# Altium PCB 11BRANMB10H2_20170927.pcbdoc (part 9 of 11)
Units mm, origin at the board's own origin, x right, y up, seen from the top; angles counter-clockwise.
Board outline 91.65 x 48.25 mm, 6 copper layers (TOP, GND1, Singal, POWER, GND2, BOTTOM), stack 0.8 mm thick; 370 components, 289 nets, 1421 pads, 980 vias.
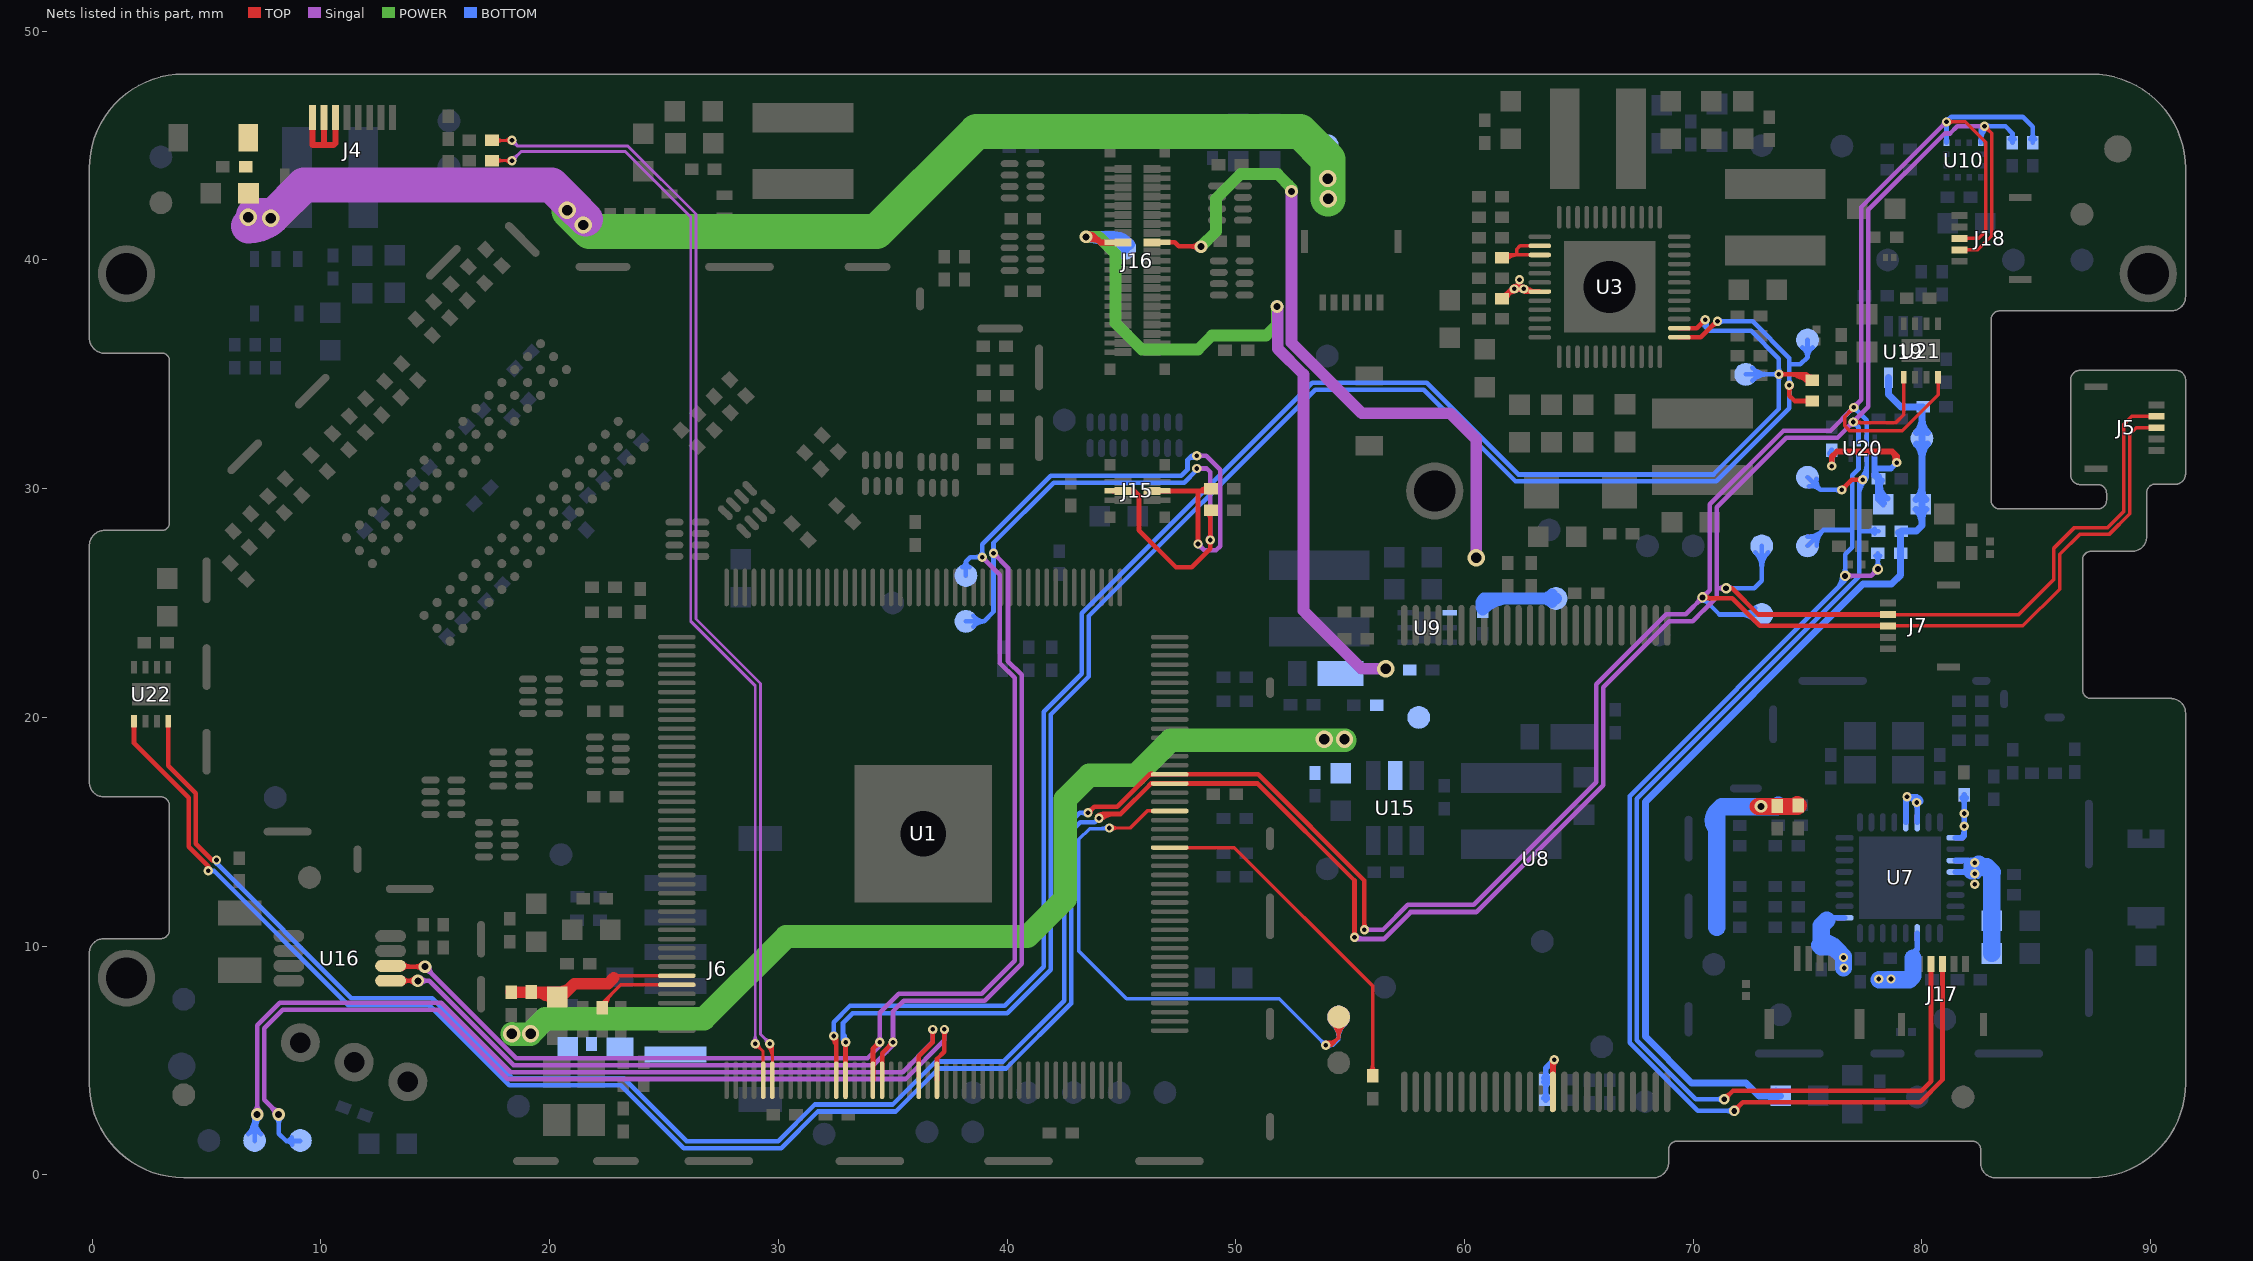
[diagram p13: the nets of this part, all layers, seen from the top]

## Via types
v1: diameter 0.406, hole 0.203, TOP to BOTTOM, tented both sides, 450 vias
v2: diameter 0.457, hole 0.254, TOP to BOTTOM, tented both sides, 256 vias
v3: diameter 0.559, hole 0.305, TOP to BOTTOM, tented both sides, 184 vias
v4: diameter 0.762, hole 0.457, TOP to BOTTOM, tented both sides, 69 vias
v5: diameter 0.61, hole 0.33, TOP to BOTTOM, tented both sides, 11 vias
v6: diameter 0.5, hole 0.2, TOP to BOTTOM, 9 vias
v7: diameter 0.508, hole 0.254, TOP to BOTTOM, tented both sides, 1 vias

## Nets (pads, with @x,y where several pads share a name; then routed paths per layer and width w, separated by ;. In a path a pad name is that pad's centre, name@x,y a point inside that pad or via, vN(x,y) a via of type N, cw(c..) or ccw(c..) an arc to the next point about the centre after c; other vN are vias at no path point) (continued)
TWI0-SCK: R8.2 TP7.1 U1.101 U3.2 | length 93.1
  TOP w0.203: v1(32.423,6.066) 32.535,5.954 U1.101@32.535,4.133 ; 32.485,5.762 cw(c32.672,5.87) v1@32.503,6.003 ; U3.2@69.393,37.019 70.158,37.019 v1(70.523,37.384) ; v1(73.748,35.001) 74.95,35.001 ; 74.572,34.918 ccw(c74.869,35.432) R8.2@75.097,34.884 ; 74.837,34.991 cw(c74.665,34.694) R8.2@75.007,34.731 ; R8.2@75.204,34.747 74.95,35.001 ; 70.35,37.211 ccw(c70.176,37.384) 70.421,37.384 cw(c70.176,37.384) 70.35,37.211 ; 70.35,37.211 cw(c70.523,37.038) 70.523,37.283 ccw(c70.523,37.038) 70.35,37.211 ; 73.994,35.001 ccw(c73.994,34.756) 73.82,34.929 cw(c73.994,34.756) 73.994,35.001 ; 73.994,35.001 cw(c73.994,35.246) 73.82,35.073 ccw(c73.994,35.246) 73.994,35.001 ; 74.95,35.001 cw(c74.788,34.839) 75.01,34.783 ccw(c74.788,34.839) 74.95,35.001 ; v1@32.351,5.994 cw(c31.907,5.55) 32.535,5.55 ccw(c31.907,5.55) v1@32.351,5.994 ; 74.183,35.001 cw(c74.183,33.776) 75.049,34.642 ccw(c74.183,33.776) 74.183,35.001 ; 74.673,35.001 cw(c74.673,34.266) 75.193,34.786 ccw(c74.673,34.266) 74.673,35.001 ; R8.2@74.986,34.965 ccw(c75.154,35.133) 75.154,34.896 cw(c75.154,35.133) R8.2@74.986,34.965
  BOTTOM w0.203: v1(32.423,6.066) 32.423,6.677 33.133,7.387 39.9,7.387 41.605,9.092 41.605,20.251 43.269,21.915 43.269,24.559 53.343,34.633 58.347,34.633 62.356,30.623 70.887,30.623 73.748,33.485 v1(73.748,35.001) ; v1(70.523,37.384) 70.523,37.084 70.7,36.906 ; TP7.1@72.3,35 72.301,35.001 v1(73.748,35.001) ; 32.423,6.311 ccw(c32.668,6.311) 32.495,6.138 cw(c32.668,6.311) 32.423,6.311 ; 32.423,6.311 cw(c32.178,6.311) 32.351,6.138 ccw(c32.178,6.311) 32.423,6.311 ; 70.523,37.139 ccw(c70.278,37.139) 70.451,37.313 cw(c70.278,37.139) 70.523,37.139 ; 70.523,37.139 cw(c70.768,37.139) 70.595,37.313 ccw(c70.768,37.139) 70.523,37.139 ; 70.7,36.906 cw(c70.981,37.187) 70.616,37.344 ccw(c70.981,37.187) 70.7,36.906 ; 70.7,36.906 72.529,36.906 73.748,35.687 v1(73.748,35.001) ; 73.503,35.001 ccw(c73.503,35.246) v1@73.677,35.073 ; 73.503,35.001 cw(c73.503,34.756) v1@73.677,34.929 ; 73.503,35.001 ccw(c73.503,35.246) v1@73.677,35.073 ; 73.503,35.001 cw(c73.503,34.756) v1@73.677,34.929 ; v1@73.677,34.929 cw(c73.503,34.756) 73.748,34.756 ; v1@73.677,34.929 cw(c73.503,34.756) 73.748,34.756 ; v1@73.677,35.073 ccw(c73.503,35.246) 73.748,35.246 ; v1@73.677,35.073 ccw(c73.503,35.246) 73.748,35.246 ; 73.748,34.756 cw(c73.994,34.756) 73.82,34.929 ccw(c73.994,34.756) 73.748,34.756 ; 73.748,35.246 ccw(c73.994,35.246) 73.82,35.073 cw(c73.994,35.246) 73.748,35.246 ; v1@70.43,37.425 ccw(c70.685,37.315) 70.488,37.118 cw(c70.685,37.315) v1@70.43,37.425 ; TP7.1@72.582,34.718 cw(c73.265,34.035) 73.265,35.001 ccw(c73.265,34.035) TP7.1@72.582,34.718 ; TP7.1@72.582,35.282 ccw(c73.259,35.959) 73.259,35.001 cw(c73.259,35.959) TP7.1@72.582,35.282
TWI0-SDA: R7.2 TP6.1 U1.102 U3.1 | length 86.4
  TOP w0.127: v1@32.935,5.792 v1(32.942,5.799)
  TOP w0.203: U1.102@32.935,4.133 v1@32.935,5.792 ; U3.1@69.393,36.619 70.332,36.619 71.03,37.317 v1(71.064,37.317) ; v1(74.206,34.519) 74.206,34.061 74.434,33.833 R7.2@75.204,33.833 R7.2@75.23,33.833 ; 74.206,34.273 ccw(c73.96,34.273) 74.134,34.447 cw(c73.96,34.273) 74.206,34.273 ; 74.206,34.273 cw(c74.451,34.273) 74.277,34.447 ccw(c74.451,34.273) 74.206,34.273 ; 74.796,33.833 ccw(c74.796,34.191) 75.049,33.938 cw(c74.796,34.191) 74.796,33.833 ; 74.796,33.833 cw(c74.796,33.475) 75.049,33.728 ccw(c74.796,33.475) 74.796,33.833 ; v1@32.87,5.727 cw(c32.713,5.57) 32.935,5.57 ccw(c32.713,5.57) v1@32.87,5.727 ; 32.935,5.537 cw(c33.204,5.537) 33.014,5.727 ccw(c33.204,5.537) 32.935,5.537 ; 70.833,37.12 cw(c71.064,36.889) 71.064,37.215 ccw(c71.064,36.889) 70.833,37.12
  BOTTOM w0.203: v1@32.862,5.862 ccw(c32.691,5.996) 32.879,6.104 ; v1(32.942,5.799) 32.829,5.912 32.829,6.642 33.244,7.056 40,7.056 41.91,8.966 41.91,20.125 43.574,21.789 43.574,24.433 53.469,34.328 58.22,34.328 62.23,30.318 71.013,30.318 74.206,33.511 v1(74.206,34.519) 74.206,35.433 ; v1(71.064,37.317) 72.601,37.317 74.206,35.712 74.206,35.433 ; TP6.1@75,36.5 75,35.745 ; 71.309,37.317 ccw(c71.309,37.072) 71.136,37.245 cw(c71.309,37.072) 71.309,37.317 ; 71.309,37.317 cw(c71.309,37.562) 71.136,37.389 ccw(c71.309,37.562) 71.309,37.317 ; 74.206,34.273 ccw(c73.96,34.273) 74.134,34.447 cw(c73.96,34.273) 74.206,34.273 ; 74.206,34.273 cw(c74.451,34.273) 74.277,34.447 ccw(c74.451,34.273) 74.206,34.273 ; 74.206,34.764 ccw(c74.451,34.764) 74.277,34.59 cw(c74.451,34.764) 74.206,34.764 ; 74.206,34.764 cw(c73.96,34.764) 74.134,34.59 ccw(c73.96,34.764) 74.206,34.764 ; 74.206,35.433 74.688,35.433 75,35.745 ; 75,35.745 ccw(c74.483,35.745) 74.775,36.171 cw(c74.483,35.745) 75,35.745 ; 75,35.745 cw(c75.517,35.745) 75.225,36.171 ccw(c75.517,35.745) 75,35.745 ; 32.829,6.316 ccw(c33.459,6.316) 33.014,5.871 cw(c33.459,6.316) 32.829,6.316
TWI1-SCK: J15.3 R6.2 TP28.1 U1.105 U16.6 | length 90.6
  TOP w0.203: U16.6@13.048,9.14 U16.6@13.044,9.135 13.079,9.1 v3(14.548,9.1) ; U1.105@34.135,4.133 34.135,5.505 v1(34.43,5.799) ; J15.3@46.335,29.9 J15.3@46.925,29.9 48.825,29.9 R6.2@48.916,29.991 ; v1(48.349,27.58) 48.349,29.875 ; 48.533,29.964 cw(c48.609,29.831) R6.2@48.74,29.912 ; 14.119,9.1 ccw(c14.119,9.53) 14.422,9.226 cw(c14.119,9.53) 14.119,9.1 ; 14.119,9.1 cw(c14.119,8.671) 14.422,8.975 ccw(c14.119,8.671) 14.119,9.1 ; 34.256,5.626 ccw(c34.083,5.799) 34.328,5.799 cw(c34.083,5.799) 34.256,5.626 ; 34.256,5.626 cw(c34.43,5.452) 34.43,5.697 ccw(c34.43,5.452) 34.256,5.626 ; 48.349,27.825 ccw(c48.594,27.825) 48.421,27.652 cw(c48.594,27.825) 48.349,27.825 ; 48.349,27.825 cw(c48.104,27.825) 48.277,27.652 ccw(c48.104,27.825) 48.349,27.825 ; U16.6@13.571,9.023 cw(c13.756,8.838) 13.756,9.1 ccw(c13.756,8.838) U16.6@13.571,9.023 ; U16.6@13.571,9.247 ccw(c13.926,9.602) 13.926,9.1 cw(c13.926,9.602) U16.6@13.571,9.247 ; 48.288,29.9 ccw(c48.288,30.568) 48.761,30.096 cw(c48.288,30.568) 48.288,29.9
  Singal w0.203: v3(14.548,9.1) 18.548,5.101 33.896,5.101 34.43,5.634 v1(34.43,5.799) 34.43,7.082 35.268,7.92 38.9,7.92 40.333,9.354 40.333,21.731 39.687,22.377 39.687,26.232 v1(38.911,27.008) ; v1(48.298,31.441) 48.704,31.441 49.314,30.831 49.314,27.478 49.136,27.301 48.628,27.301 v1(48.349,27.58) ; 14.852,8.797 ccw(c14.548,8.493) 14.548,8.923 cw(c14.548,8.493) 14.852,8.797 ; 14.852,8.797 cw(c15.155,9.1) 14.726,9.1 ccw(c15.155,9.1) 14.852,8.797 ; 34.43,6.044 ccw(c34.675,6.044) 34.501,5.871 cw(c34.675,6.044) 34.43,6.044 ; 34.43,6.044 cw(c34.184,6.044) 34.358,5.871 ccw(c34.184,6.044) 34.43,6.044 ; 39.084,26.835 ccw(c38.911,26.661) 38.911,26.906 cw(c38.911,26.661) 39.084,26.835 ; 39.084,26.835 cw(c39.258,27.008) 39.013,27.008 ccw(c39.258,27.008) 39.084,26.835 ; 48.522,27.407 ccw(c48.349,27.233) 48.349,27.478 cw(c48.349,27.233) 48.522,27.407 ; 48.522,27.407 cw(c48.696,27.58) 48.45,27.58 ccw(c48.696,27.58) 48.522,27.407 ; 48.543,31.441 ccw(c48.543,31.196) 48.37,31.369 cw(c48.543,31.196) 48.543,31.441 ; 48.543,31.441 cw(c48.543,31.686) 48.37,31.513 ccw(c48.543,31.686) 48.543,31.441 ; 34.14,5.345 ccw(c33.685,5.799) 34.328,5.799 cw(c33.685,5.799) 34.14,5.345
  BOTTOM w0.203: TP28.1@38.2,26.2 38.2,26.809 ; v1(48.298,31.441) 48.069,31.441 ; 38.2,26.809 ccw(c38.466,26.809) 38.359,26.565 cw(c38.466,26.809) 38.2,26.809 ; 38.2,26.809 cw(c37.934,26.809) 38.041,26.565 ccw(c37.934,26.809) 38.2,26.809 ; 38.2,26.809 38.399,27.008 v1(38.911,27.008) 38.911,27.57 41.912,30.571 47.622,30.571 47.892,30.841 47.892,31.263 ; 38.666,27.008 ccw(c38.666,27.253) v1@38.839,27.08 ; 38.666,27.008 cw(c38.666,26.763) 38.839,26.936 ccw(c38.666,26.763) 38.666,27.008 ; 38.666,27.008 ccw(c38.666,27.253) v1@38.839,27.08 ; v1@38.839,27.08 ccw(c38.666,27.253) 38.911,27.253 ; v1@38.839,27.08 ccw(c38.666,27.253) 38.911,27.253 ; 38.911,27.253 ccw(c39.156,27.253) 38.983,27.08 cw(c39.156,27.253) 38.911,27.253 ; 47.892,31.263 cw(c48.142,31.013) 48.263,31.345 ccw(c48.142,31.013) 47.892,31.263 ; 47.892,31.263 48.069,31.441 ; 48.069,31.441 ccw(c48.069,31.647) 48.223,31.509 cw(c48.069,31.647) 48.069,31.441 ; 48.069,31.441 cw(c48.069,31.234) 48.223,31.373 ccw(c48.069,31.234) 48.069,31.441
TWI1-SDA: J15.4 R5.2 TP29.1 U1.106 U16.5 | length 94.8
  TOP w0.127: J15.4@44.475,29.9 J15.4@45.065,29.9 ; J15.4@44.716,29.9 ccw(c44.716,29.764) 44.62,29.86 cw(c44.716,29.764) J15.4@44.716,29.9 ; J15.4@44.716,29.9 cw(c44.716,30.036) 44.62,29.94 ccw(c44.716,30.036) J15.4@44.716,29.9
  TOP w0.203: U16.5@13.082,8.524 U16.5@13.044,8.485 13.045,8.484 v3(14.236,8.484) ; U1.106@34.535,4.133 34.535,5.32 v1(35.014,5.799) ; J15.4@45.065,29.9 45.582,29.9 45.767,29.716 45.767,28.189 47.387,26.568 48.079,26.568 48.882,27.371 v1(48.882,27.758) 48.882,29.057 48.882,29.119 R5.2@48.89,29.127 ; 13.807,8.484 ccw(c13.807,8.913) 14.11,8.609 cw(c13.807,8.913) 13.807,8.484 ; 13.807,8.484 cw(c13.807,8.054) 14.11,8.358 ccw(c13.807,8.054) 13.807,8.484 ; 34.84,5.626 ccw(c34.667,5.799) 34.912,5.799 cw(c34.667,5.799) 34.84,5.626 ; 34.84,5.626 cw(c35.014,5.452) 35.014,5.697 ccw(c35.014,5.452) 34.84,5.626 ; 48.882,27.513 ccw(c48.637,27.513) 48.81,27.686 cw(c48.637,27.513) 48.882,27.513 ; 48.882,27.513 cw(c49.127,27.513) 48.954,27.686 ccw(c49.127,27.513) 48.882,27.513 ; 48.882,28.003 ccw(c49.127,28.003) 48.954,27.83 cw(c49.127,28.003) 48.882,28.003 ; 48.882,28.003 cw(c48.637,28.003) 48.81,27.83 ccw(c48.637,28.003) 48.882,28.003 ; U16.5@13.571,8.373 cw(c13.837,8.107) 13.837,8.484 ccw(c13.837,8.107) U16.5@13.571,8.373 ; U16.5@13.571,8.597 ccw(c13.845,8.872) 13.845,8.484 cw(c13.845,8.872) U16.5@13.571,8.597 ; R5.2@48.764,28.952 cw(c48.48,28.668) 48.882,28.668 ccw(c48.48,28.668) R5.2@48.764,28.952 ; 48.882,28.73 cw(c49.197,28.73) 48.974,28.952 ccw(c49.197,28.73) 48.882,28.73
  Singal w0.203: v3(14.236,8.484) 14.734,8.484 18.421,4.796 34.15,4.796 35.014,5.66 v1(35.014,5.799) 35.014,7.145 35.484,7.616 39.026,7.616 40.638,9.228 40.638,21.857 40.038,22.457 40.038,26.544 v1(39.408,27.174) ; v1(48.298,30.882) 48.73,30.882 48.882,30.73 v1(48.882,27.758) ; 14.665,8.484 ccw(c14.665,8.054) 14.362,8.358 cw(c14.665,8.054) 14.665,8.484 ; 14.665,8.484 cw(c14.665,8.913) 14.362,8.609 ccw(c14.665,8.913) 14.665,8.484 ; 35.014,6.044 ccw(c35.259,6.044) 35.086,5.871 cw(c35.259,6.044) 35.014,6.044 ; 35.014,6.044 cw(c34.769,6.044) 34.942,5.871 ccw(c34.769,6.044) 35.014,6.044 ; 39.581,27 ccw(c39.408,26.827) 39.408,27.072 cw(c39.408,26.827) 39.581,27 ; 39.581,27 cw(c39.755,27.174) 39.51,27.174 ccw(c39.755,27.174) 39.581,27 ; 48.543,30.882 ccw(c48.543,30.637) 48.37,30.81 cw(c48.543,30.637) 48.543,30.882 ; 48.543,30.882 cw(c48.543,31.127) 48.37,30.954 ccw(c48.543,31.127) 48.543,30.882 ; 48.882,28.003 ccw(c49.127,28.003) 48.954,27.83 cw(c49.127,28.003) 48.882,28.003 ; 48.882,28.003 cw(c48.637,28.003) 48.81,27.83 ccw(c48.637,28.003) 48.882,28.003 ; 34.742,5.388 ccw(c34.331,5.799) 34.912,5.799 cw(c34.331,5.799) 34.742,5.388
  BOTTOM w0.203: TP29.1@38.2,24.2 38.995,24.2 ; v1(48.298,30.882) 48.298,30.816 47.748,30.266 42.039,30.266 39.408,27.636 v1(39.408,27.174) 39.408,24.613 38.995,24.2 ; 38.995,24.2 ccw(c38.995,23.606) 38.519,23.962 cw(c38.995,23.606) 38.995,24.2 ; 38.995,24.2 cw(c38.995,24.794) 38.519,24.438 ccw(c38.995,24.794) 38.995,24.2 ; 39.408,26.928 ccw(c39.163,26.928) 39.336,27.102 cw(c39.163,26.928) 39.408,26.928 ; 39.408,26.928 cw(c39.653,26.928) 39.48,27.102 ccw(c39.653,26.928) 39.408,26.928 ; 39.408,27.419 ccw(c39.653,27.419) 39.48,27.245 cw(c39.653,27.419) 39.408,27.419 ; 39.408,27.419 cw(c39.163,27.419) 39.336,27.245 ccw(c39.163,27.419) 39.408,27.419
TWI2-SCK: J5.3 J7.3 J18.3 R4.2 TP35.1 U1.161 U10.1 U20.7 U21.4 U22.4 | length 197.2
  TOP w0.152: v1(77.025,33.553) 76.619,33.147 76.619,32.752 76.834,32.537 79.145,32.537 80.714,34.106 80.714,34.866 U21.4@80.714,34.904 ; J7.3@78.52,24 84.418,24 86.028,25.611 86.028,27.127 86.917,28.016 88.205,28.016 89.09,28.902 89.09,32.385 89.369,32.664 J5.3@90.263,32.664 ; v1(81.076,46.037) 81.894,46.037 82.791,45.14 82.791,41.245 82.488,40.942 J18.3@81.648,40.942 ; 76.808,33.337 ccw(c76.591,33.553) 76.898,33.553 cw(c76.591,33.553) 76.808,33.337 ; 76.808,33.337 cw(c77.025,33.12) 77.025,33.426 ccw(c77.025,33.12) 76.808,33.337 ; 78.899,24 ccw(c78.899,23.822) 78.773,23.948 cw(c78.899,23.822) 78.899,24 ; 78.899,24 cw(c78.899,24.178) 78.773,24.052 ccw(c78.899,24.178) 78.899,24 ; 81.383,46.037 ccw(c81.383,45.731) 81.166,45.947 cw(c81.383,45.731) 81.383,46.037 ; 81.383,46.037 cw(c81.383,46.344) 81.166,46.127 ccw(c81.383,46.344) 81.383,46.037 ; 82.026,40.942 ccw(c82.026,40.764) 81.9,40.89 cw(c82.026,40.764) 82.026,40.942 ; 82.026,40.942 cw(c82.026,41.12) 81.9,40.994 ccw(c82.026,41.12) 82.026,40.942 ; 89.884,32.664 ccw(c89.884,32.843) 90.01,32.717 cw(c89.884,32.843) 89.884,32.664 ; 89.884,32.664 cw(c89.884,32.486) 90.01,32.612 ccw(c89.884,32.486) 89.884,32.664 ; U21.4@80.668,34.681 cw(c80.557,34.571) 80.714,34.571 ccw(c80.557,34.571) U21.4@80.668,34.681
  TOP w0.203: U22.4@3.329,19.837 3.329,17.88 4.521,16.688 4.521,14.478 5.232,13.767 v1(5.436,13.767) ; v1(43.536,15.824) 43.808,16.097 44.824,16.097 46.235,17.508 ; v1@43.536,15.926 ccw(c43.536,16.171) 43.709,15.998 ccw(c43.882,15.824) v1@43.637,15.824 ; 46.132,17.405 cw(c46.385,17.152) U1.161@46.385,17.509 ; U1.161@46.386,17.509 ccw(c46.311,17.432) 46.235,17.508 ; v1(55.624,10.715) 55.624,12.868 50.984,17.508 U1.161@47.11,17.508 46.235,17.508 ; v2(70.407,25.243) 70.445,25.205 71.712,25.205 72.917,24 J7.3@78.52,24 ; 55.624,10.96 ccw(c55.869,10.96) 55.696,10.786 cw(c55.869,10.96) 55.624,10.96 ; 55.624,10.96 cw(c55.379,10.96) 55.552,10.786 ccw(c55.379,10.96) 55.624,10.96 ; v2@70.497,25.333 ccw(c70.806,25.642) 70.806,25.205 cw(c70.806,25.642) v2@70.497,25.333
  Singal w0.203: v1(55.624,10.715) 56.436,10.715 57.528,11.807 60.4,11.807 65.759,17.165 65.759,21.448 68.822,24.511 69.675,24.511 v2(70.407,25.243) 70.729,25.565 70.729,29.315 73.947,32.533 76.005,32.533 v1(77.025,33.553) 77.355,33.884 77.355,42.316 v1(81.076,46.037) ; 55.869,10.715 ccw(c55.869,10.469) 55.696,10.643 cw(c55.869,10.469) 55.869,10.715 ; 55.869,10.715 cw(c55.869,10.96) 55.696,10.786 ccw(c55.869,10.96) 55.869,10.715 ; 70.19,25.027 ccw(c69.973,25.243) 70.28,25.243 cw(c69.973,25.243) 70.19,25.027 ; 70.19,25.027 cw(c70.407,24.81) 70.407,25.116 ccw(c70.407,24.81) 70.19,25.027 ; 70.624,25.46 ccw(c70.841,25.243) 70.534,25.243 cw(c70.841,25.243) 70.624,25.46 ; 70.624,25.46 cw(c70.407,25.677) 70.407,25.37 ccw(c70.407,25.677) 70.624,25.46 ; 76.852,33.38 ccw(c76.678,33.553) 76.923,33.553 cw(c76.678,33.553) 76.852,33.38 ; 76.852,33.38 cw(c77.025,33.207) 77.025,33.452 ccw(c77.025,33.207) 76.852,33.38 ; 77.198,33.727 ccw(c77.372,33.553) 77.127,33.553 cw(c77.372,33.553) 77.198,33.727 ; 77.198,33.727 cw(c77.025,33.9) 77.025,33.655 ccw(c77.025,33.9) 77.198,33.727 ; 80.903,45.864 ccw(c80.729,46.037) 80.974,46.037 cw(c80.729,46.037) 80.903,45.864 ; 80.903,45.864 cw(c81.076,45.69) 81.076,45.936 ccw(c81.076,45.69) 80.903,45.864
  BOTTOM w0.203: v1(5.436,13.767) 5.436,13.614 11.328,7.722 14.859,7.722 18.364,4.216 23.241,4.216 25.986,1.471 29.996,1.471 31.598,3.073 35.002,3.073 36.882,4.953 39.828,4.953 42.494,7.619 42.494,15.138 43.18,15.824 v1(43.536,15.824) ; v1@43.464,15.752 ccw(c43.29,15.579) 43.29,15.824 ccw(c43.29,16.069) v1@43.464,15.896 ; v2(70.407,25.243) 71.15,24.5 TP35.1@73,24.5 ; v1(77.025,33.553) 77.581,32.997 U20.7@77.581,32.11 ; U10.1@81.076,45.119 v1(81.076,46.037) 81.292,46.253 84.417,46.253 84.849,45.822 R4.2@84.849,45.123 ; 70.624,25.027 ccw(c70.407,24.81) 70.407,25.116 cw(c70.407,24.81) 70.624,25.027 ; 70.624,25.027 cw(c70.841,25.243) 70.534,25.243 ccw(c70.841,25.243) 70.624,25.027 ; 72.038,24.5 ccw(c72.038,25.462) 72.718,24.782 cw(c72.038,25.462) 72.038,24.5 ; 72.038,24.5 cw(c72.038,23.538) 72.718,24.218 ccw(c72.038,23.538) 72.038,24.5 ; 77.198,33.38 ccw(c77.025,33.207) 77.025,33.452 cw(c77.025,33.207) 77.198,33.38 ; 77.198,33.38 cw(c77.372,33.553) 77.127,33.553 ccw(c77.372,33.553) 77.198,33.38 ; 81.076,45.792 ccw(c80.831,45.792) 81.004,45.965 cw(c80.831,45.792) 81.076,45.792 ; 81.076,45.792 cw(c81.321,45.792) 81.148,45.965 ccw(c81.321,45.792) 81.076,45.792 ; 81.249,46.211 ccw(c81.423,46.037) 81.178,46.037 cw(c81.423,46.037) 81.249,46.211 ; 81.249,46.211 cw(c81.076,46.384) 81.076,46.139 ccw(c81.076,46.384) 81.249,46.211 ; 84.849,45.532 ccw(c85.207,45.532) 84.954,45.278 cw(c85.207,45.532) 84.849,45.532 ; 84.849,45.532 cw(c84.49,45.532) 84.744,45.278 ccw(c84.49,45.532) 84.849,45.532
TWI2-SDA: J5.2 J7.4 J18.2 R3.2 TP36.1 U1.160 U10.4 U20.6 U21.1 U22.1 | length 202.1
  TOP w0.152: v1(77,32.918) 77.025,32.893 78.866,32.893 79.202,33.23 U21.1@79.202,34.866 ; J7.4@78.52,24.5 78.535,24.486 84.225,24.486 85.774,26.035 85.774,27.407 86.65,28.282 88.111,28.282 88.836,29.007 88.836,32.817 89.184,33.164 J5.2@90.263,33.164 ; J18.2@81.648,40.442 82.442,40.442 83.054,41.054 83.054,45.533 v1(82.74,45.847) ; 82.026,40.442 ccw(c82.026,40.264) 81.9,40.39 cw(c82.026,40.264) 82.026,40.442 ; 82.026,40.442 cw(c82.026,40.62) 81.9,40.494 ccw(c82.026,40.62) 82.026,40.442 ; 82.957,45.63 ccw(c82.74,45.413) 82.74,45.72 cw(c82.74,45.413) 82.957,45.63 ; 82.957,45.63 cw(c83.174,45.847) 82.867,45.847 ccw(c83.174,45.847) 82.957,45.63 ; 89.884,33.164 ccw(c89.884,33.343) 90.01,33.217 cw(c89.884,33.343) 89.884,33.164 ; 89.884,33.164 cw(c89.884,32.986) 90.01,33.112 ccw(c89.884,32.986) 89.884,33.164 ; v1@77.089,32.829 cw(c77.245,32.673) 77.245,32.893 ccw(c77.245,32.673) v1@77.089,32.829 ; v1@77.089,33.008 ccw(c77.368,33.286) 77.368,32.893 cw(c77.368,33.286) v1@77.089,33.008 ; J7.4@78.773,24.552 ccw(c78.934,24.713) 78.934,24.486 cw(c78.934,24.713) J7.4@78.773,24.552
  TOP w0.203: U22.1@1.829,19.837 1.829,18.872 4.217,16.484 4.217,14.352 5.068,13.501 v1(5.068,13.297) ; v1@43.946,15.667 cw(c44.202,15.412) 44.202,15.773 ; v1(44.018,15.596) 44.196,15.773 44.958,15.773 46.292,17.108 U1.160@47.11,17.108 50.953,17.108 55.192,12.869 v1(55.192,10.384) ; v1@44.018,15.697 ccw(c44.018,15.942) 44.192,15.769 ccw(c44.365,15.596) v1@44.12,15.596 ; v1@44.09,15.524 cw(c44.693,14.921) 44.693,15.773 ; 46.23,17.045 cw(c46.385,16.89) U1.160@46.385,17.109 ; v2(71.437,25.65) 71.699,25.65 ; J7.4@78.52,24.5 72.848,24.5 71.699,25.65 ; 55.192,10.63 ccw(c55.438,10.63) 55.264,10.456 cw(c55.438,10.63) 55.192,10.63 ; 55.192,10.63 cw(c54.947,10.63) 55.121,10.456 ccw(c54.947,10.63) 55.192,10.63 ; 71.699,25.65 ccw(c71.699,25.444) 71.537,25.571 cw(c71.699,25.444) 71.699,25.65 ; 71.699,25.65 cw(c71.699,25.856) 71.537,25.728 ccw(c71.699,25.856) 71.699,25.65
  Singal w0.127: 60.529,11.45 66.089,17.01 66.089,17.533
  Singal w0.203: v1(55.192,10.384) 55.269,10.308 56.461,10.308 57.641,11.488 60.513,11.488 66.064,17.039 66.064,21.322 68.948,24.206 69.98,24.206 70.472,24.698 ; 70.783,25.009 70.472,24.698 ; v2(71.437,25.65) 71.034,25.65 ; v1(82.74,45.847) 81.546,45.847 81.229,45.529 80.999,45.529 77.66,42.19 77.66,33.579 v1(77,32.918) 76.309,32.228 74.074,32.228 71.034,29.188 71.034,25.65 ; 70.472,24.698 70.472,24.685 71.034,25.246 71.034,25.65 ; 71.131,25.65 ccw(c71.131,25.956) 71.348,25.739 cw(c71.131,25.956) 71.131,25.65 ; 71.131,25.65 cw(c71.131,25.343) 71.348,25.56 ccw(c71.131,25.343) 71.131,25.65 ; 76.826,32.745 ccw(c76.653,32.918) 76.898,32.918 cw(c76.653,32.918) 76.826,32.745 ; 76.826,32.745 cw(c77,32.572) 77,32.817 ccw(c77,32.572) 76.826,32.745 ; 77.173,33.092 ccw(c77.346,32.918) 77.101,32.918 cw(c77.346,32.918) 77.173,33.092 ; 77.173,33.092 cw(c77,33.265) 77,33.02 ccw(c77,33.265) 77.173,33.092 ; 82.495,45.847 ccw(c82.495,46.092) 82.668,45.919 cw(c82.495,46.092) 82.495,45.847 ; 82.495,45.847 cw(c82.495,45.602) 82.668,45.775 ccw(c82.495,45.602) 82.495,45.847 ; v1@55.264,10.456 ccw(c55.622,10.814) 55.622,10.308 cw(c55.622,10.814) v1@55.264,10.456